# Altium PCB Slave.PcbDoc (part 4 of 10)
Units mm, origin at the board's own origin, x right, y up, seen from the top; angles counter-clockwise.
Board outline 380 x 63 mm, 4 copper layers (Top Copper, Signal Layer 1, Signal Layer 2, Bottom Copper), stack 1.586 mm thick; 259 components, 195 nets, 816 pads, 23336 vias.
Unrouted connection lines stored in the file: 47.
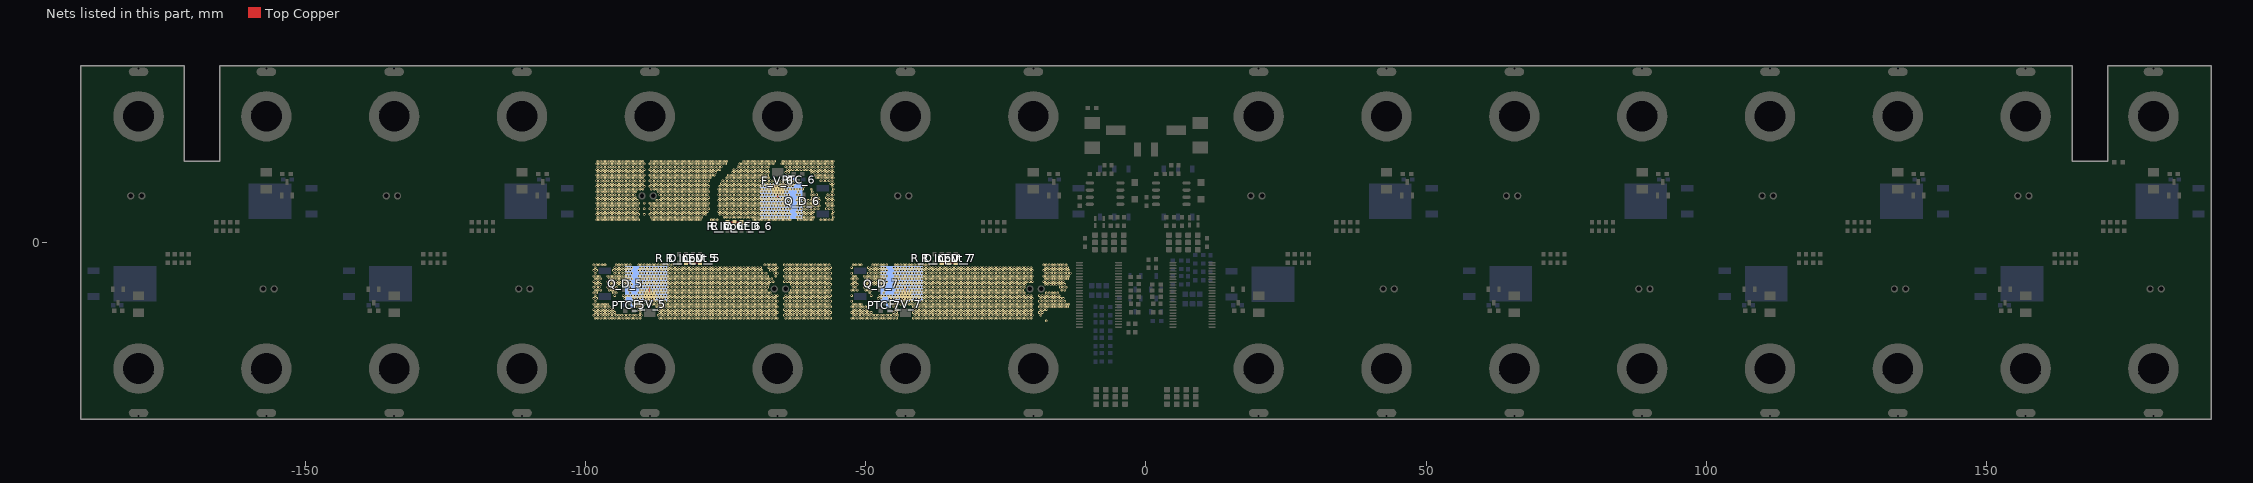
[diagram p6: the nets of this part, all layers, seen from the top]

## Via types
v1: diameter 0.45, hole 0.2, Top Copper to Bottom Copper, tented both sides, 23076 vias
v2: diameter 0.45, hole 0.2, Top Copper to Bottom Copper, 250 vias
v3: diameter 1.2, hole 0.8, Top Copper to Bottom Copper, 10 vias

## Nets (pads, with @x,y where several pads share a name; then routed paths per layer and width w, separated by ;. In a path a pad name is that pad's centre, name@x,y a point inside that pad or via, vN(x,y) a via of type N, cw(c..) or ccw(c..) an arc to the next point about the centre after c; other vN are vias at no path point) (continued)
F_5: C_V_5.2 F_V_5.2 PTC_5.2 Q_D_5.2 R_D_LED_5.2 R_Input_5.1 | length 3.9
  Top Copper w0.254: R_D_LED_5.2@-82.05,-3.6 R_Input_5.1@-80.8,-3.6 C_V_5.2@-79.55,-3.6
  Top Copper w0.305: F_V_5.2@-88.525,-9.48 v1@-88.525,-8.1
  other v1: -98.25,-13.5 -97.75,-13.5 -97.25,-13.5 -96.75,-13.5 -96.25,-13.5 -95.75,-13.5 -95.25,-13.5 -94.75,-13.5 -94.25,-13.5 -93.75,-13.5 -93.25,-13.5 -92.75,-13.5 -92.25,-13.5 -91.75,-13.5 -91.25,-13.5 -90.75,-13.5 -90.25,-13.5 -86.75,-13.5 -86.25,-13.5 -85.75,-13.5 -85.25,-13.5 -84.75,-13.5 -84.25,-13.5 -83.75,-13.5 -83.25,-13.5 -82.75,-13.5 -82.25,-13.5 -81.75,-13.5 -81.25,-13.5 -80.75,-13.5 -80.25,-13.5 -79.75,-13.5 -79.25,-13.5 -78.75,-13.5 -78.25,-13.5 -77.75,-13.5 -77.25,-13.5 -76.75,-13.5 -76.25,-13.5 -75.75,-13.5 -75.25,-13.5 -74.75,-13.5 -74.25,-13.5 -73.75,-13.5 -73.25,-13.5 -72.75,-13.5 -72.25,-13.5 -71.75,-13.5 -71.25,-13.5 -70.75,-13.5 -70.25,-13.5 -69.75,-13.5 -69.25,-13.5 -68.75,-13.5 -68.25,-13.5 -67.75,-13.5 -67.25,-13.5 -66.75,-13.5 -66.25,-13.5 -65.75,-13.5 -64.25,-13.5 -63.75,-13.5 -63.25,-13.5 -62.75,-13.5 -62.25,-13.5 -61.75,-13.5 -61.25,-13.5 -60.75,-13.5 -60.25,-13.5 -59.75,-13.5 -59.25,-13.5 -58.75,-13.5 -58.25,-13.5 -57.75,-13.5 -57.25,-13.5 -56.75,-13.5 -56.25,-13.5 -98.5,-13 -98,-13 -97.5,-13 -97,-13 -96.5,-13 -96,-13 -95.5,-13 -95,-13 -94.5,-13 -94,-13 -93.5,-13 -93,-13 -92.5,-13 -92,-13 -91.5,-13 -91,-13 -90.5,-13 -90,-13 -87,-13 -86.5,-13 -86,-13 -85.5,-13 -85,-13 -84.5,-13 -84,-13 -83.5,-13 -83,-13 -82.5,-13 -82,-13 -81.5,-13 -81,-13 -80.5,-13 -80,-13 -79.5,-13 -79,-13 -78.5,-13 -78,-13 -77.5,-13 -77,-13 -76.5,-13 -76,-13 -75.5,-13 -75,-13 -74.5,-13 -74,-13 -73.5,-13 -73,-13 -72.5,-13 -72,-13 -71.5,-13 -71,-13 -70.5,-13 -70,-13 -69.5,-13 -69,-13 -68.5,-13 -68,-13 -67.5,-13 -67,-13 -66.5,-13 -66,-13 -64.5,-13 -64,-13 -63.5,-13 -63,-13 -62.5,-13 -62,-13 -61.5,-13 -61,-13 -60.5,-13 -60,-13 -59.5,-13 -59,-13 -58.5,-13 -58,-13 -57.5,-13 -57,-13 -56.5,-13 -98.25,-12.5 -97.75,-12.5 -97.25,-12.5 -96.75,-12.5 -96.25,-12.5 -95.75,-12.5 -95.25,-12.5 -94.75,-12.5 -90.25,-12.5 -86.75,-12.5 -86.25,-12.5 -85.75,-12.5 -85.25,-12.5 -84.75,-12.5 -84.25,-12.5 -83.75,-12.5 -83.25,-12.5 -82.75,-12.5 -82.25,-12.5 -81.75,-12.5 -81.25,-12.5 -80.75,-12.5 -80.25,-12.5 -79.75,-12.5 -79.25,-12.5 -78.75,-12.5 -78.25,-12.5 -77.75,-12.5 -77.25,-12.5 -76.75,-12.5 -76.25,-12.5 -75.75,-12.5 -75.25,-12.5 -74.75,-12.5 -74.25,-12.5 -73.75,-12.5 -73.25,-12.5 -72.75,-12.5 -72.25,-12.5 -71.75,-12.5 -71.25,-12.5 -70.75,-12.5 -70.25,-12.5 -69.75,-12.5 -69.25,-12.5 -68.75,-12.5 -68.25,-12.5 -67.75,-12.5 -67.25,-12.5 -66.75,-12.5 -66.25,-12.5 -65.75,-12.5 -64.25,-12.5 -63.75,-12.5 -63.25,-12.5 -62.75,-12.5 -62.25,-12.5 -61.75,-12.5 -61.25,-12.5 -60.75,-12.5 -60.25,-12.5 -59.75,-12.5 -59.25,-12.5 -58.75,-12.5 -58.25,-12.5 -57.75,-12.5 -57.25,-12.5 -56.75,-12.5 -56.25,-12.5 -98.5,-12 -98,-12 -97.5,-12 -97,-12 -96.5,-12 -96,-12 -95.5,-12 -95,-12 -90.5,-12 -90,-12 -87,-12 -86.5,-12 -86,-12 -85.5,-12 -85,-12 -84.5,-12 -84,-12 -83.5,-12 -83,-12 -82.5,-12 -82,-12 -81.5,-12 -81,-12 -80.5,-12 -80,-12 -79.5,-12 -79,-12 -78.5,-12 -78,-12 -77.5,-12 -77,-12 -76.5,-12 -76,-12 -75.5,-12 -75,-12 -74.5,-12 -74,-12 -73.5,-12 -73,-12 -72.5,-12 -72,-12 -71.5,-12 -71,-12 -70.5,-12 -70,-12 -69.5,-12 -69,-12 -68.5,-12 -68,-12 -67.5,-12 -67,-12 -66.5,-12 -66,-12 -64.5,-12 -64,-12 -63.5,-12 -63,-12 -62.5,-12 -62,-12 -61.5,-12 -61,-12 -60.5,-12 -60,-12 -59.5,-12 -59,-12 -58.5,-12 -58,-12 -57.5,-12 -57,-12 -56.5,-12 -98.25,-11.5 -97.75,-11.5 -97.25,-11.5 -96.75,-11.5 -96.25,-11.5 -95.75,-11.5 -90.75,-11.5 -90.25,-11.5 -89.75,-11.5 -87.25,-11.5 -86.75,-11.5 -86.25,-11.5 -85.75,-11.5 -85.25,-11.5 -84.75,-11.5 -84.25,-11.5 -83.75,-11.5 -83.25,-11.5 -82.75,-11.5 -82.25,-11.5 -81.75,-11.5 -81.25,-11.5 -80.75,-11.5 -80.25,-11.5 -79.75,-11.5 -79.25,-11.5 -78.75,-11.5 -78.25,-11.5 -77.75,-11.5 -77.25,-11.5 -76.75,-11.5 -76.25,-11.5 -75.75,-11.5 -75.25,-11.5 -74.75,-11.5 -74.25,-11.5 -73.75,-11.5 -73.25,-11.5 -72.75,-11.5 -72.25,-11.5 -71.75,-11.5 -71.25,-11.5 -70.75,-11.5 -70.25,-11.5 -69.75,-11.5 -69.25,-11.5 -68.75,-11.5 -68.25,-11.5 -67.75,-11.5 -67.25,-11.5 -66.75,-11.5 -66.25,-11.5 -65.75,-11.5 -64.25,-11.5 -63.75,-11.5 -63.25,-11.5 -62.75,-11.5 -62.25,-11.5 -61.75,-11.5 -61.25,-11.5 -60.75,-11.5 -60.25,-11.5 -59.75,-11.5 -59.25,-11.5 -58.75,-11.5 -58.25,-11.5 -57.75,-11.5 -57.25,-11.5 -56.75,-11.5 -56.25,-11.5 -98.5,-11 -98,-11 -97.5,-11 -97,-11 -96.5,-11 -96,-11 -91.5,-11 -91,-11 -90.5,-11 -90,-11 -89.5,-11 -89,-11 -88.5,-11 -88,-11 -87.5,-11 -87,-11 -86.5,-11 -86,-11 -85.5,-11 -85,-11 -84.5,-11 -84,-11 -83.5,-11 -83,-11 -82.5,-11 -82,-11 -81.5,-11 -81,-11 -80.5,-11 -80,-11 -79.5,-11 -79,-11 -78.5,-11 -78,-11 -77.5,-11 -77,-11 -76.5,-11 -76,-11 -75.5,-11 -75,-11 -74.5,-11 -74,-11 -73.5,-11 -73,-11 -72.5,-11 -72,-11 -71.5,-11 -71,-11 -70.5,-11 -70,-11 -69.5,-11 -69,-11 -68.5,-11 -68,-11 -67.5,-11 -67,-11 -66.5,-11 -66,-11 -64.5,-11 -64,-11 -63.5,-11 -63,-11 -62.5,-11 -62,-11 -61.5,-11 -61,-11 -60.5,-11 -60,-11 -59.5,-11 -59,-11 -58.5,-11 -58,-11 -57.5,-11 -57,-11 -56.5,-11 -98.25,-10.5 -91.25,-10.5 -90.75,-10.5 -90.25,-10.5 -89.75,-10.5 -89.25,-10.5 -88.75,-10.5 -88.25,-10.5 -87.75,-10.5 -87.25,-10.5 -86.75,-10.5 -86.25,-10.5 -85.75,-10.5 -85.25,-10.5 -84.75,-10.5 -84.25,-10.5 -83.75,-10.5 -83.25,-10.5 -82.75,-10.5 -82.25,-10.5 -81.75,-10.5 -81.25,-10.5 -80.75,-10.5 -80.25,-10.5 -79.75,-10.5 -79.25,-10.5 -78.75,-10.5 -78.25,-10.5 -77.75,-10.5 -77.25,-10.5 -76.75,-10.5 -76.25,-10.5 -75.75,-10.5 -75.25,-10.5 -74.75,-10.5 -74.25,-10.5 -73.75,-10.5 -73.25,-10.5 -72.75,-10.5 -72.25,-10.5 -71.75,-10.5 -71.25,-10.5 -70.75,-10.5 -70.25,-10.5 -69.75,-10.5 -69.25,-10.5 -68.75,-10.5 -68.25,-10.5 -67.75,-10.5 -67.25,-10.5 -66.75,-10.5 -66.25,-10.5 -65.75,-10.5 -64.25,-10.5 -63.75,-10.5 -63.25,-10.5 -62.75,-10.5 -62.25,-10.5 -61.75,-10.5 -61.25,-10.5 -60.75,-10.5 -60.25,-10.5 -59.75,-10.5 -59.25,-10.5 -58.75,-10.5 -58.25,-10.5 -57.75,-10.5 -57.25,-10.5 -56.75,-10.5 -56.25,-10.5 -98.5,-10 -98,-10 -93,-10 -91.5,-10 -91,-10 -90.5,-10 -90,-10 -89.5,-10 -89,-10 -88.5,-10 -88,-10 -87.5,-10 -87,-10 -86.5,-10 -86,-10 -85.5,-10 -85,-10 -84.5,-10 -84,-10 -83.5,-10 -83,-10 -82.5,-10 -82,-10 -81.5,-10 -81,-10 -80.5,-10 -80,-10 -79.5,-10 -79,-10 -78.5,-10 -78,-10 -77.5,-10 -77,-10 -76.5,-10 -76,-10 -75.5,-10 -75,-10 -74.5,-10 -74,-10 -73.5,-10 -73,-10 -72.5,-10 -72,-10 -71.5,-10 -71,-10 -70.5,-10 -70,-10 -69.5,-10 -69,-10 -68.5,-10 -68,-10 -67.5,-10 -67,-10 -66.5,-10 -66,-10 -64.5,-10 -64,-10 -63.5,-10 -63,-10 -62.5,-10 -62,-10 -61.5,-10 -61,-10 -60.5,-10 -60,-10 -59.5,-10 -59,-10 -58.5,-10 -58,-10 -57.5,-10 -57,-10 -56.5,-10 -98.25,-9.5 -94.75,-9.5 -93.25,-9.5 -92.75,-9.5 -92.25,-9.5 -91.75,-9.5 -91.25,-9.5 -90.75,-9.5 -90.25,-9.5 -89.75,-9.5 -89.25,-9.5 -88.75,-9.5 -88.25,-9.5 -87.75,-9.5 -87.25,-9.5 -86.75,-9.5 -86.25,-9.5 -85.75,-9.5 -85.25,-9.5 -84.75,-9.5 -84.25,-9.5 -83.75,-9.5 -83.25,-9.5 -82.75,-9.5 -82.25,-9.5 -81.75,-9.5 -81.25,-9.5 -80.75,-9.5 -80.25,-9.5 -79.75,-9.5 -79.25,-9.5 -78.75,-9.5 -78.25,-9.5 -77.75,-9.5 -77.25,-9.5 -76.75,-9.5 -76.25,-9.5 -75.75,-9.5 -75.25,-9.5 -74.75,-9.5 -74.25,-9.5 -73.75,-9.5 -73.25,-9.5 -72.75,-9.5 -72.25,-9.5 -71.75,-9.5 -71.25,-9.5 -70.75,-9.5 -70.25,-9.5 -69.75,-9.5 -69.25,-9.5 -68.75,-9.5 -68.25,-9.5 -67.75,-9.5 -67.25,-9.5 -66.75,-9.5 -66.25,-9.5 -65.75,-9.5 -64.25,-9.5 -63.75,-9.5 -63.25,-9.5 -62.75,-9.5 -62.25,-9.5 -61.75,-9.5 -61.25,-9.5 -60.75,-9.5 -60.25,-9.5 -59.75,-9.5 -59.25,-9.5 -58.75,-9.5 -58.25,-9.5 -57.75,-9.5 -57.25,-9.5 -56.75,-9.5 -56.25,-9.5 -98.5,-9 -98,-9 -95,-9 -94.5,-9 -92,-9 -90.5,-9 -90,-9 -89.5,-9 -89,-9 -88.5,-9 -88,-9 -87.5,-9 -87,-9 -86.5,-9 -86,-9 -85.5,-9 -85,-9 -84.5,-9 -84,-9 -83.5,-9 -83,-9 -82.5,-9 -82,-9 -81.5,-9 -81,-9 -80.5,-9 -80,-9 -79.5,-9 -79,-9 -78.5,-9 -78,-9 -77.5,-9 -77,-9 -76.5,-9 -76,-9 -75.5,-9 -75,-9 -74.5,-9 -74,-9 -73.5,-9 -73,-9 -72.5,-9 -72,-9 -71.5,-9 -71,-9 -70.5,-9 -70,-9 -69.5,-9 -69,-9 -68.5,-9 -68,-9 -67.5,-9 -67,-9 -63.5,-9 -63,-9 -62.5,-9 -62,-9 -61.5,-9 -61,-9 -60.5,-9 -60,-9 -59.5,-9 -59,-9 -58.5,-9 -58,-9 -57.5,-9 -57,-9 -56.5,-9 -98.25,-8.5 -97.75,-8.5 -97.25,-8.5 -95.75,-8.5 -95.25,-8.5 -94.75,-8.5 -92.25,-8.5 -90.25,-8.5 -89.75,-8.5 -89.25,-8.5 -88.75,-8.5 -88.25,-8.5 -87.75,-8.5 -87.25,-8.5 -86.75,-8.5 -86.25,-8.5 -85.75,-8.5 -85.25,-8.5 -84.75,-8.5 -84.25,-8.5 -83.75,-8.5 -83.25,-8.5 -82.75,-8.5 -82.25,-8.5 -81.75,-8.5 -81.25,-8.5 -80.75,-8.5 -80.25,-8.5 -79.75,-8.5 -79.25,-8.5 -78.75,-8.5 -78.25,-8.5 -77.75,-8.5 -77.25,-8.5 -76.75,-8.5 -76.25,-8.5 -75.75,-8.5 -75.25,-8.5 -74.75,-8.5 -74.25,-8.5 -73.75,-8.5 -73.25,-8.5 -72.75,-8.5 -72.25,-8.5 -71.75,-8.5 -71.25,-8.5 -70.75,-8.5 -70.25,-8.5 -69.75,-8.5 -69.25,-8.5 -68.75,-8.5 -68.25,-8.5 -67.75,-8.5 -63.25,-8.5 -62.75,-8.5 -62.25,-8.5 -61.75,-8.5 -61.25,-8.5 -60.75,-8.5 -60.25,-8.5 -59.75,-8.5 -59.25,-8.5 -58.75,-8.5 -58.25,-8.5 -57.75,-8.5 -57.25,-8.5 -56.75,-8.5 -56.25,-8.5 -98.5,-8 -98,-8 -97.5,-8 -96,-8 -95.5,-8 -95,-8 -94.5,-8 -92,-8 -90.5,-8 -90,-8 -89.5,-8 -89,-8 -88.5,-8 -88,-8 -87.5,-8 -87,-8 -86.5,-8 -86,-8 -85.5,-8 -85,-8 -84.5,-8 -84,-8 -83.5,-8 -83,-8 -82.5,-8 -82,-8 -81.5,-8 -81,-8 -80.5,-8 -80,-8 -79.5,-8 -79,-8 -78.5,-8 -78,-8 -77.5,-8 -77,-8 -76.5,-8 -76,-8 -75.5,-8 -75,-8 -74.5,-8 -74,-8 -73.5,-8 -73,-8 -72.5,-8 -72,-8 -71.5,-8 -71,-8 -70.5,-8 -70,-8 -69.5,-8 -69,-8 -68.5,-8 -68,-8 -67.5,-8 -63,-8 -62.5,-8 -62,-8 -61.5,-8 -61,-8 -60.5,-8 -60,-8 -59.5,-8 -59,-8 -58.5,-8 -58,-8 -57.5,-8 -57,-8 -56.5,-8 -98.25,-7.5 -97.75,-7.5 -97.25,-7.5 -95.75,-7.5 -95.25,-7.5 -94.75,-7.5 -94.25,-7.5 -93.75,-7.5 -93.25,-7.5 -92.75,-7.5 -92.25,-7.5 -91.75,-7.5 -90.25,-7.5 -89.75,-7.5 -89.25,-7.5 -88.75,-7.5 -88.25,-7.5 -87.75,-7.5 -87.25,-7.5 -86.75,-7.5 -86.25,-7.5 -85.75,-7.5 -85.25,-7.5 -84.75,-7.5 -84.25,-7.5 -83.75,-7.5 -83.25,-7.5 -82.75,-7.5 -82.25,-7.5 -81.75,-7.5 -81.25,-7.5 -80.75,-7.5 -80.25,-7.5 -79.75,-7.5 -79.25,-7.5 -78.75,-7.5 -78.25,-7.5 -77.75,-7.5 -77.25,-7.5 -76.75,-7.5 -76.25,-7.5 -75.75,-7.5 -75.25,-7.5 -74.75,-7.5 -74.25,-7.5 -73.75,-7.5 -73.25,-7.5 -72.75,-7.5 -72.25,-7.5 -71.75,-7.5 -71.25,-7.5 -70.75,-7.5 -70.25,-7.5 -69.75,-7.5 -69.25,-7.5 -68.75,-7.5 -68.25,-7.5 -67.75,-7.5 -67.25,-7.5 -63.25,-7.5 -62.75,-7.5 -62.25,-7.5 -61.75,-7.5 -61.25,-7.5 -60.75,-7.5 -60.25,-7.5 -59.75,-7.5 -59.25,-7.5 -58.75,-7.5 -58.25,-7.5 -57.75,-7.5 -57.25,-7.5 -56.75,-7.5 -56.25,-7.5 -98.5,-7 -98,-7 -97.5,-7 -96,-7 -95.5,-7 -95,-7 -94.5,-7 -94,-7 -93.5,-7 -93,-7 -92.5,-7 -92,-7 -90.5,-7 -90,-7 -89.5,-7 -89,-7 -88.5,-7 -88,-7 -87.5,-7 -87,-7 -86.5,-7 -86,-7 -85.5,-7 -85,-7 -84.5,-7 -84,-7 -83.5,-7 -83,-7 -82.5,-7 -82,-7 -81.5,-7 -81,-7 -80.5,-7 -80,-7 -79.5,-7 -79,-7 -78.5,-7 -78,-7 -77.5,-7 -77,-7 -76.5,-7 -76,-7 -75.5,-7 -75,-7 -74.5,-7 -74,-7 -73.5,-7 -73,-7 -72.5,-7 -72,-7 -71.5,-7 -71,-7 -70.5,-7 -70,-7 -69.5,-7 -69,-7 -68.5,-7 -68,-7 -67.5,-7 -67,-7 -66.5,-7 -64.5,-7 -64,-7 -63.5,-7 -63,-7 -62.5,-7 -62,-7 -61.5,-7 -61,-7 -60.5,-7 -60,-7 -59.5,-7 -59,-7 -58.5,-7 -58,-7 -57.5,-7 -57,-7 -56.5,-7 -98.25,-6.5 -97.75,-6.5 -97.25,-6.5 -95.75,-6.5 -95.25,-6.5 -94.75,-6.5 -94.25,-6.5 -93.75,-6.5 -93.25,-6.5 -92.75,-6.5 -92.25,-6.5 -91.75,-6.5 -90.25,-6.5 -89.75,-6.5 -89.25,-6.5 -88.75,-6.5 -88.25,-6.5 -87.75,-6.5 -87.25,-6.5 -86.75,-6.5 -86.25,-6.5 -85.75,-6.5 -85.25,-6.5 -84.75,-6.5 -84.25,-6.5 -83.75,-6.5 -83.25,-6.5 -82.75,-6.5 -82.25,-6.5 -81.75,-6.5 -81.25,-6.5 -80.75,-6.5 -80.25,-6.5 -79.75,-6.5 -79.25,-6.5 -78.75,-6.5 -78.25,-6.5 -77.75,-6.5 -77.25,-6.5 -76.75,-6.5 -76.25,-6.5 -75.75,-6.5 -75.25,-6.5 -74.75,-6.5 -74.25,-6.5 -73.75,-6.5 -73.25,-6.5 -72.75,-6.5 -72.25,-6.5 -71.75,-6.5 -71.25,-6.5 -70.75,-6.5 -70.25,-6.5 -69.75,-6.5 -69.25,-6.5 -68.75,-6.5 -68.25,-6.5 -67.75,-6.5 -67.25,-6.5 -66.75,-6.5 -64.25,-6.5 -63.75,-6.5 -63.25,-6.5 -62.75,-6.5 -62.25,-6.5 -61.75,-6.5 -61.25,-6.5 -60.75,-6.5 -60.25,-6.5 -59.75,-6.5 -59.25,-6.5 -58.75,-6.5 -58.25,-6.5 -57.75,-6.5 -57.25,-6.5 -56.75,-6.5 -56.25,-6.5 -98.5,-6 -98,-6 -97.5,-6 -96,-6 -95.5,-6 -95,-6 -94.5,-6 -94,-6 -93.5,-6 -93,-6 -92.5,-6 -92,-6 -90.5,-6 -90,-6 -89.5,-6 -89,-6 -88.5,-6 -88,-6 -87.5,-6 -87,-6 -86.5,-6 -86,-6 -85.5,-6 -85,-6 -84.5,-6 -84,-6 -83.5,-6 -83,-6 -82.5,-6 -82,-6 -81.5,-6 -81,-6 -80.5,-6 -80,-6 -79.5,-6 -79,-6 -78.5,-6 -78,-6 -77.5,-6 -77,-6 -76.5,-6 -76,-6 -75.5,-6 -75,-6 -74.5,-6 -74,-6 -73.5,-6 -73,-6 -72.5,-6 -72,-6 -71.5,-6 -71,-6 -70.5,-6 -70,-6 -69.5,-6 -69,-6 -68.5,-6 -68,-6 -67.5,-6 -66,-6 -64.5,-6 -64,-6 -63.5,-6 -63,-6 -62.5,-6 -62,-6 -61.5,-6 -61,-6 -60.5,-6 -60,-6 -59.5,-6 -59,-6 -58.5,-6 -58,-6 -57.5,-6 -57,-6 -56.5,-6 -98.25,-5.5 -94.75,-5.5 -94.25,-5.5 -93.75,-5.5 -93.25,-5.5 -92.75,-5.5 -92.25,-5.5 -91.75,-5.5 -90.25,-5.5 -89.75,-5.5 -89.25,-5.5 -88.75,-5.5 -88.25,-5.5 -87.75,-5.5 -87.25,-5.5 -86.75,-5.5 -86.25,-5.5 -85.75,-5.5 -85.25,-5.5 -84.75,-5.5 -84.25,-5.5 -83.75,-5.5 -83.25,-5.5 -82.75,-5.5 -82.25,-5.5 -81.75,-5.5 -81.25,-5.5 -80.75,-5.5 -80.25,-5.5 -79.75,-5.5 -79.25,-5.5 -78.75,-5.5 -78.25,-5.5 -77.75,-5.5 -77.25,-5.5 -76.75,-5.5 -76.25,-5.5 -75.75,-5.5 -75.25,-5.5 -74.75,-5.5 -74.25,-5.5 -73.75,-5.5 -73.25,-5.5 -72.75,-5.5 -72.25,-5.5 -71.75,-5.5 -71.25,-5.5 -70.75,-5.5 -70.25,-5.5 -69.75,-5.5 -69.25,-5.5 -68.75,-5.5 -68.25,-5.5 -67.75,-5.5 -66.25,-5.5 -65.75,-5.5 -64.25,-5.5 -63.75,-5.5 -63.25,-5.5 -62.75,-5.5 -62.25,-5.5 -61.75,-5.5 -61.25,-5.5 -60.75,-5.5 -60.25,-5.5 -59.75,-5.5 -59.25,-5.5 -58.75,-5.5 -58.25,-5.5 -57.75,-5.5 -57.25,-5.5 -56.75,-5.5 -56.25,-5.5 -98.5,-5 -98,-5 -95,-5 -94.5,-5 -94,-5 -93.5,-5 -93,-5 -92.5,-5 -92,-5 -90.5,-5 -90,-5 -89.5,-5 -89,-5 -88.5,-5 -88,-5 -87.5,-5 -87,-5 -86.5,-5 -86,-5 -85.5,-5 -85,-5 -84.5,-5 -84,-5 -83.5,-5 -83,-5 -82.5,-5 -82,-5 -81.5,-5 -81,-5 -80.5,-5 -80,-5 -79.5,-5 -79,-5 -78.5,-5 -78,-5 -77.5,-5 -77,-5 -76.5,-5 -76,-5 -75.5,-5 -75,-5 -74.5,-5 -74,-5 -73.5,-5 -73,-5 -72.5,-5 -72,-5 -71.5,-5 -71,-5 -70.5,-5 -70,-5 -69.5,-5 -69,-5 -68.5,-5 -67,-5 -66.5,-5 -66,-5 -64.5,-5 -64,-5 -63.5,-5 -63,-5 -62.5,-5 -62,-5 -61.5,-5 -61,-5 -60.5,-5 -60,-5 -59.5,-5 -59,-5 -58.5,-5 -58,-5 -57.5,-5 -57,-5 -56.5,-5 -98.25,-4.5 -94.75,-4.5 -94.25,-4.5 -93.75,-4.5 -93.25,-4.5 -92.75,-4.5 -92.25,-4.5 -91.75,-4.5 -90.25,-4.5 -89.75,-4.5 -89.25,-4.5 -88.75,-4.5 -88.25,-4.5 -87.75,-4.5 -87.25,-4.5 -86.75,-4.5 -86.25,-4.5 -85.75,-4.5 -85.25,-4.5 -84.75,-4.5 -84.25,-4.5 -83.75,-4.5 -83.25,-4.5 -82.75,-4.5 -82.25,-4.5 -81.75,-4.5 -81.25,-4.5 -80.75,-4.5 -80.25,-4.5 -79.75,-4.5 -79.25,-4.5 -78.75,-4.5 -78.25,-4.5 -77.75,-4.5 -77.25,-4.5 -76.75,-4.5 -76.25,-4.5 -75.75,-4.5 -75.25,-4.5 -74.75,-4.5 -74.25,-4.5 -73.75,-4.5 -73.25,-4.5 -72.75,-4.5 -72.25,-4.5 -71.75,-4.5 -71.25,-4.5 -70.75,-4.5 -70.25,-4.5 -69.75,-4.5 -69.25,-4.5 -68.75,-4.5 -67.25,-4.5 -66.75,-4.5 -66.25,-4.5 -65.75,-4.5 -64.25,-4.5 -63.75,-4.5 -63.25,-4.5 -62.75,-4.5 -62.25,-4.5 -61.75,-4.5 -61.25,-4.5 -60.75,-4.5 -60.25,-4.5 -59.75,-4.5 -59.25,-4.5 -58.75,-4.5 -58.25,-4.5 -57.75,-4.5 -57.25,-4.5 -56.75,-4.5 -56.25,-4.5 -98.5,-4 -98,-4 -97.5,-4 -97,-4 -96.5,-4 -94.5,-4 -94,-4 -93.5,-4 -93,-4 -92.5,-4 -92,-4 -90.5,-4 -90,-4 -89.5,-4 -89,-4 -88.5,-4 -88,-4 -87.5,-4 -87,-4 -86.5,-4 -86,-4 -85.5,-4 -85,-4 -84.5,-4 -68,-4 -67.5,-4 -67,-4 -66.5,-4 -66,-4 -64.5,-4 -64,-4 -63.5,-4 -63,-4 -62.5,-4 -62,-4 -61.5,-4 -61,-4 -60.5,-4 -60,-4 -59.5,-4 -59,-4 -58.5,-4 -58,-4 -57.5,-4 -57,-4 -56.5,-4
F_6: C_V_6.2 F_V_6.2 PTC_6.2 Q_D_6.2 R_D_LED_6.2 R_Input_6.1 | length 3.9
  Top Copper w0.254: C_V_6.2@-74.65,3.6 R_Input_6.1@-73.4,3.6 R_D_LED_6.2@-72.15,3.6
  Top Copper w0.305: v1@-65.675,8.1 F_V_6.2@-65.675,9.48
  other v1: -98,4 -97.5,4 -97,4 -96.5,4 -96,4 -95.5,4 -95,4 -94.5,4 -94,4 -93.5,4 -93,4 -92.5,4 -92,4 -91.5,4 -91,4 -90.5,4 -88,4 -87.5,4 -87,4 -86.5,4 -86,4 -85.5,4 -85,4 -84.5,4 -84,4 -83.5,4 -83,4 -82.5,4 -82,4 -81.5,4 -81,4 -80.5,4 -80,4 -79.5,4 -77.5,4 -77,4 -76.5,4 -70,4 -69.5,4 -69,4 -68.5,4 -68,4 -67.5,4 -67,4 -66.5,4 -66,4 -65.5,4 -65,4 -64.5,4 -64,4 -63.5,4 -62,4 -61.5,4 -61,4 -60.5,4 -60,4 -59.5,4 -58,4 -57.5,4 -57,4 -56.5,4 -56,4 -97.75,4.5 -97.25,4.5 -96.75,4.5 -96.25,4.5 -95.75,4.5 -95.25,4.5 -94.75,4.5 -94.25,4.5 -93.75,4.5 -93.25,4.5 -92.75,4.5 -92.25,4.5 -91.75,4.5 -91.25,4.5 -90.75,4.5 -88.25,4.5 -87.75,4.5 -87.25,4.5 -86.75,4.5 -86.25,4.5 -85.75,4.5 -85.25,4.5 -84.75,4.5 -84.25,4.5 -83.75,4.5 -83.25,4.5 -82.75,4.5 -82.25,4.5 -81.75,4.5 -81.25,4.5 -80.75,4.5 -80.25,4.5 -79.75,4.5 -79.25,4.5 -75.25,4.5 -74.75,4.5 -74.25,4.5 -73.75,4.5 -73.25,4.5 -72.75,4.5 -72.25,4.5 -71.75,4.5 -71.25,4.5 -70.75,4.5 -70.25,4.5 -69.75,4.5 -69.25,4.5 -68.75,4.5 -68.25,4.5 -67.75,4.5 -67.25,4.5 -66.75,4.5 -66.25,4.5 -65.75,4.5 -65.25,4.5 -64.75,4.5 -64.25,4.5 -63.75,4.5 -62.25,4.5 -61.75,4.5 -61.25,4.5 -60.75,4.5 -60.25,4.5 -59.75,4.5 -59.25,4.5 -55.75,4.5 -98,5 -97.5,5 -97,5 -96.5,5 -96,5 -95.5,5 -95,5 -94.5,5 -94,5 -93.5,5 -93,5 -92.5,5 -92,5 -91.5,5 -91,5 -90.5,5 -89.5,5 -88.5,5 -88,5 -87.5,5 -87,5 -86.5,5 -86,5 -85.5,5 -85,5 -84.5,5 -84,5 -83.5,5 -83,5 -82.5,5 -82,5 -81.5,5 -81,5 -80.5,5 -80,5 -79.5,5 -79,5 -78.5,5 -76,5 -75.5,5 -75,5 -74.5,5 -74,5 -73.5,5 -73,5 -72.5,5 -72,5 -71.5,5 -71,5 -70.5,5 -70,5 -69.5,5 -69,5 -68.5,5 -68,5 -67.5,5 -67,5 -66.5,5 -66,5 -65.5,5 -65,5 -64.5,5 -64,5 -63.5,5 -62,5 -61.5,5 -61,5 -60.5,5 -60,5 -59.5,5 -56,5 -97.75,5.5 -97.25,5.5 -96.75,5.5 -96.25,5.5 -95.75,5.5 -95.25,5.5 -94.75,5.5 -94.25,5.5 -93.75,5.5 -93.25,5.5 -92.75,5.5 -92.25,5.5 -91.75,5.5 -91.25,5.5 -90.75,5.5 -88.25,5.5 -87.75,5.5 -87.25,5.5 -86.75,5.5 -86.25,5.5 -85.75,5.5 -85.25,5.5 -84.75,5.5 -84.25,5.5 -83.75,5.5 -83.25,5.5 -82.75,5.5 -82.25,5.5 -81.75,5.5 -81.25,5.5 -80.75,5.5 -80.25,5.5 -79.75,5.5 -79.25,5.5 -78.75,5.5 -78.25,5.5 -76.25,5.5 -75.75,5.5 -75.25,5.5 -74.75,5.5 -74.25,5.5 -73.75,5.5 -73.25,5.5 -72.75,5.5 -72.25,5.5 -71.75,5.5 -71.25,5.5 -70.75,5.5 -70.25,5.5 -69.75,5.5 -69.25,5.5 -68.75,5.5 -68.25,5.5 -67.75,5.5 -67.25,5.5 -66.75,5.5 -66.25,5.5 -65.75,5.5 -65.25,5.5 -64.75,5.5 -64.25,5.5 -63.75,5.5 -62.25,5.5 -61.75,5.5 -61.25,5.5 -60.75,5.5 -60.25,5.5 -59.75,5.5 -59.25,5.5 -55.75,5.5 -98,6 -97.5,6 -97,6 -96.5,6 -96,6 -95.5,6 -95,6 -94.5,6 -94,6 -93.5,6 -93,6 -92.5,6 -92,6 -91.5,6 -91,6 -90.5,6 -89.5,6 -88.5,6 -88,6 -87.5,6 -87,6 -86.5,6 -86,6 -85.5,6 -85,6 -84.5,6 -84,6 -83.5,6 -83,6 -82.5,6 -82,6 -81.5,6 -81,6 -80.5,6 -80,6 -79.5,6 -79,6 -78.5,6 -78,6 -76,6 -75.5,6 -75,6 -74.5,6 -74,6 -73.5,6 -73,6 -72.5,6 -72,6 -71.5,6 -71,6 -70.5,6 -70,6 -69.5,6 -69,6 -68.5,6 -68,6 -67.5,6 -67,6 -66.5,6 -66,6 -65.5,6 -65,6 -64.5,6 -64,6 -63.5,6 -62,6 -61.5,6 -61,6 -60.5,6 -60,6 -59.5,6 -59,6 -58.5,6 -57,6 -56.5,6 -56,6 -97.75,6.5 -97.25,6.5 -96.75,6.5 -96.25,6.5 -95.75,6.5 -95.25,6.5 -94.75,6.5 -94.25,6.5 -93.75,6.5 -93.25,6.5 -92.75,6.5 -92.25,6.5 -91.75,6.5 -91.25,6.5 -90.75,6.5 -88.25,6.5 -87.75,6.5 -87.25,6.5 -86.75,6.5 -86.25,6.5 -85.75,6.5 -85.25,6.5 -84.75,6.5 -84.25,6.5 -83.75,6.5 -83.25,6.5 -82.75,6.5 -82.25,6.5 -81.75,6.5 -81.25,6.5 -80.75,6.5 -80.25,6.5 -79.75,6.5 -79.25,6.5 -78.75,6.5 -78.25,6.5 -76.25,6.5 -75.75,6.5 -75.25,6.5 -74.75,6.5 -74.25,6.5 -73.75,6.5 -73.25,6.5 -72.75,6.5 -72.25,6.5 -71.75,6.5 -71.25,6.5 -70.75,6.5 -70.25,6.5 -69.75,6.5 -69.25,6.5 -68.75,6.5 -68.25,6.5 -67.75,6.5 -67.25,6.5 -66.75,6.5 -66.25,6.5 -65.75,6.5 -65.25,6.5 -64.75,6.5 -64.25,6.5 -63.75,6.5 -62.25,6.5 -61.75,6.5 -61.25,6.5 -60.75,6.5 -60.25,6.5 -59.75,6.5 -59.25,6.5 -58.75,6.5 -58.25,6.5 -56.75,6.5 -56.25,6.5 -55.75,6.5 -98,7 -97.5,7 -97,7 -96.5,7 -96,7 -95.5,7 -95,7 -94.5,7 -94,7 -93.5,7 -93,7 -92.5,7 -92,7 -91.5,7 -91,7 -90.5,7 -89.5,7 -88.5,7 -88,7 -87.5,7 -87,7 -86.5,7 -86,7 -85.5,7 -85,7 -84.5,7 -84,7 -83.5,7 -83,7 -82.5,7 -82,7 -81.5,7 -81,7 -80.5,7 -80,7 -79.5,7 -79,7 -78.5,7 -78,7 -76,7 -75.5,7 -75,7 -74.5,7 -74,7 -73.5,7 -73,7 -72.5,7 -72,7 -71.5,7 -71,7 -70.5,7 -70,7 -69.5,7 -69,7 -68.5,7 -68,7 -67.5,7 -67,7 -66.5,7 -66,7 -65.5,7 -65,7 -64.5,7 -64,7 -63.5,7 -62,7 -61.5,7 -61,7 -60.5,7 -60,7 -59.5,7 -59,7 -58.5,7 -57,7 -56.5,7 -56,7 -97.75,7.5 -97.25,7.5 -96.75,7.5 -96.25,7.5 -95.75,7.5 -95.25,7.5 -94.75,7.5 -94.25,7.5 -93.75,7.5 -93.25,7.5 -92.75,7.5 -92.25,7.5 -91.75,7.5 -91.25,7.5 -90.75,7.5 -87.25,7.5 -86.75,7.5 -86.25,7.5 -85.75,7.5 -85.25,7.5 -84.75,7.5 -84.25,7.5 -83.75,7.5 -83.25,7.5 -82.75,7.5 -82.25,7.5 -81.75,7.5 -81.25,7.5 -80.75,7.5 -80.25,7.5 -79.75,7.5 -79.25,7.5 -78.75,7.5 -78.25,7.5 -76.25,7.5 -75.75,7.5 -75.25,7.5 -74.75,7.5 -74.25,7.5 -73.75,7.5 -73.25,7.5 -72.75,7.5 -72.25,7.5 -71.75,7.5 -71.25,7.5 -70.75,7.5 -70.25,7.5 -69.75,7.5 -69.25,7.5 -68.75,7.5 -68.25,7.5 -67.75,7.5 -67.25,7.5 -66.75,7.5 -66.25,7.5 -65.75,7.5 -65.25,7.5 -64.75,7.5 -64.25,7.5 -63.75,7.5 -62.25,7.5 -61.75,7.5 -61.25,7.5 -60.75,7.5 -60.25,7.5 -59.75,7.5 -59.25,7.5 -58.75,7.5 -58.25,7.5 -56.75,7.5 -56.25,7.5 -55.75,7.5 -98,8 -97.5,8 -97,8 -96.5,8 -96,8 -95.5,8 -95,8 -94.5,8 -94,8 -93.5,8 -93,8 -92.5,8 -92,8 -91.5,8 -91,8 -86.5,8 -86,8 -85.5,8 -85,8 -84.5,8 -84,8 -83.5,8 -83,8 -82.5,8 -82,8 -81.5,8 -81,8 -80.5,8 -80,8 -79.5,8 -79,8 -78.5,8 -78,8 -76,8 -75.5,8 -75,8 -74.5,8 -74,8 -73.5,8 -73,8 -72.5,8 -72,8 -71.5,8 -71,8 -70.5,8 -70,8 -69.5,8 -69,8 -68.5,8 -68,8 -67.5,8 -67,8 -66.5,8 -66,8 -65.5,8 -65,8 -64.5,8 -64,8 -62,8 -59.5,8 -59,8 -58.5,8 -57,8 -56.5,8 -56,8 -97.75,8.5 -97.25,8.5 -96.75,8.5 -96.25,8.5 -95.75,8.5 -95.25,8.5 -94.75,8.5 -94.25,8.5 -93.75,8.5 -93.25,8.5 -92.75,8.5 -92.25,8.5 -91.75,8.5 -91.25,8.5 -86.75,8.5 -86.25,8.5 -85.75,8.5 -85.25,8.5 -84.75,8.5 -84.25,8.5 -83.75,8.5 -83.25,8.5 -82.75,8.5 -82.25,8.5 -81.75,8.5 -81.25,8.5 -80.75,8.5 -80.25,8.5 -79.75,8.5 -79.25,8.5 -78.75,8.5 -78.25,8.5 -76.25,8.5 -75.75,8.5 -75.25,8.5 -74.75,8.5 -74.25,8.5 -73.75,8.5 -73.25,8.5 -72.75,8.5 -72.25,8.5 -71.75,8.5 -71.25,8.5 -70.75,8.5 -70.25,8.5 -69.75,8.5 -69.25,8.5 -68.75,8.5 -68.25,8.5 -67.75,8.5 -67.25,8.5 -66.75,8.5 -66.25,8.5 -65.75,8.5 -65.25,8.5 -64.75,8.5 -64.25,8.5 -63.75,8.5 -62.25,8.5 -61.75,8.5 -59.75,8.5 -59.25,8.5 -58.75,8.5 -56.75,8.5 -56.25,8.5 -55.75,8.5 -98,9 -97.5,9 -97,9 -96.5,9 -96,9 -95.5,9 -95,9 -94.5,9 -94,9 -93.5,9 -93,9 -92.5,9 -92,9 -91.5,9 -91,9 -87,9 -86.5,9 -86,9 -85.5,9 -85,9 -84.5,9 -84,9 -83.5,9 -83,9 -82.5,9 -82,9 -81.5,9 -81,9 -80.5,9 -80,9 -79.5,9 -79,9 -78.5,9 -78,9 -76,9 -75.5,9 -75,9 -74.5,9 -74,9 -73.5,9 -73,9 -72.5,9 -72,9 -71.5,9 -71,9 -70.5,9 -70,9 -69.5,9 -69,9 -68.5,9 -68,9 -67.5,9 -67,9 -66.5,9 -66,9 -65.5,9 -65,9 -64.5,9 -64,9 -62,9 -59.5,9 -56,9 -97.75,9.5 -97.25,9.5 -96.75,9.5 -96.25,9.5 -95.75,9.5 -95.25,9.5 -94.75,9.5 -94.25,9.5 -93.75,9.5 -93.25,9.5 -92.75,9.5 -92.25,9.5 -91.75,9.5 -91.25,9.5 -90.75,9.5 -90.25,9.5 -89.75,9.5 -88.25,9.5 -87.75,9.5 -87.25,9.5 -86.75,9.5 -86.25,9.5 -85.75,9.5 -85.25,9.5 -84.75,9.5 -84.25,9.5 -83.75,9.5 -83.25,9.5 -82.75,9.5 -82.25,9.5 -81.75,9.5 -81.25,9.5 -80.75,9.5 -80.25,9.5 -79.75,9.5 -79.25,9.5 -78.75,9.5 -78.25,9.5 -76.25,9.5 -75.75,9.5 -75.25,9.5 -74.75,9.5 -74.25,9.5 -73.75,9.5 -73.25,9.5 -72.75,9.5 -72.25,9.5 -71.75,9.5 -71.25,9.5 -70.75,9.5 -70.25,9.5 -69.75,9.5 -69.25,9.5 -68.75,9.5 -68.25,9.5 -67.75,9.5 -67.25,9.5 -66.75,9.5 -66.25,9.5 -65.75,9.5 -65.25,9.5 -64.75,9.5 -64.25,9.5 -63.75,9.5 -63.25,9.5 -62.75,9.5 -62.25,9.5 -61.75,9.5 -61.25,9.5 -59.75,9.5 -55.75,9.5 -98,10 -97.5,10 -97,10 -96.5,10 -96,10 -95.5,10 -95,10 -94.5,10 -94,10 -93.5,10 -93,10 -92.5,10 -92,10 -91.5,10 -91,10 -90.5,10 -90,10 -89.5,10 -88.5,10 -88,10 -87.5,10 -87,10 -86.5,10 -86,10 -85.5,10 -85,10 -84.5,10 -84,10 -83.5,10 -83,10 -82.5,10 -82,10 -81.5,10 -81,10 -80.5,10 -80,10 -79.5,10 -79,10 -78.5,10 -78,10 -76,10 -75.5,10 -75,10 -74.5,10 -74,10 -73.5,10 -73,10 -72.5,10 -72,10 -71.5,10 -71,10 -70.5,10 -70,10 -69.5,10 -69,10 -68.5,10 -68,10 -67.5,10 -67,10 -66.5,10 -66,10 -65.5,10 -65,10 -64.5,10 -64,10 -63.5,10 -63,10 -61,10 -56,10 -97.75,10.5 -97.25,10.5 -96.75,10.5 -96.25,10.5 -95.75,10.5 -95.25,10.5 -94.75,10.5 -94.25,10.5 -93.75,10.5 -93.25,10.5 -92.75,10.5 -92.25,10.5 -91.75,10.5 -91.25,10.5 -90.75,10.5 -90.25,10.5 -89.75,10.5 -88.25,10.5 -87.75,10.5 -87.25,10.5 -86.75,10.5 -86.25,10.5 -85.75,10.5 -85.25,10.5 -84.75,10.5 -84.25,10.5 -83.75,10.5 -83.25,10.5 -82.75,10.5 -82.25,10.5 -81.75,10.5 -81.25,10.5 -80.75,10.5 -80.25,10.5 -79.75,10.5 -79.25,10.5 -78.75,10.5 -78.25,10.5 -75.75,10.5 -75.25,10.5 -74.75,10.5 -74.25,10.5 -73.75,10.5 -73.25,10.5 -72.75,10.5 -72.25,10.5 -71.75,10.5 -71.25,10.5 -70.75,10.5 -70.25,10.5 -69.75,10.5 -69.25,10.5 -68.75,10.5 -68.25,10.5 -67.75,10.5 -67.25,10.5 -66.75,10.5 -66.25,10.5 -65.75,10.5 -65.25,10.5 -64.75,10.5 -64.25,10.5 -63.75,10.5 -63.25,10.5 -62.75,10.5 -56.25,10.5 -55.75,10.5 -98,11 -97.5,11 -97,11 -96.5,11 -96,11 -95.5,11 -95,11 -94.5,11 -94,11 -93.5,11 -93,11 -92.5,11 -92,11 -91.5,11 -91,11 -90.5,11 -90,11 -89.5,11 -88.5,11 -88,11 -87.5,11 -87,11 -86.5,11 -86,11 -85.5,11 -85,11 -84.5,11 -84,11 -83.5,11 -83,11 -82.5,11 -82,11 -81.5,11 -81,11 -80.5,11 -80,11 -79.5,11 -79,11 -78.5,11 -78,11 -75.5,11 -75,11 -74.5,11 -74,11 -73.5,11 -73,11 -72.5,11 -72,11 -71.5,11 -71,11 -70.5,11 -70,11 -69.5,11 -69,11 -68.5,11 -68,11 -67.5,11 -67,11 -66.5,11 -66,11 -65.5,11 -65,11 -64.5,11 -64,11 -63.5,11 -63,11 -58,11 -57.5,11 -57,11 -56.5,11 -56,11 -97.75,11.5 -97.25,11.5 -96.75,11.5 -96.25,11.5 -95.75,11.5 -95.25,11.5 -94.75,11.5 -94.25,11.5 -93.75,11.5 -93.25,11.5 -92.75,11.5 -92.25,11.5 -91.75,11.5 -91.25,11.5 -90.75,11.5 -90.25,11.5 -89.75,11.5 -88.25,11.5 -87.75,11.5 -87.25,11.5 -86.75,11.5 -86.25,11.5 -85.75,11.5 -85.25,11.5 -84.75,11.5 -84.25,11.5 -83.75,11.5 -83.25,11.5 -82.75,11.5 -82.25,11.5 -81.75,11.5 -81.25,11.5 -80.75,11.5 -80.25,11.5 -79.75,11.5 -79.25,11.5 -78.75,11.5 -78.25,11.5 -77.75,11.5 -74.75,11.5 -74.25,11.5 -73.75,11.5 -73.25,11.5 -72.75,11.5 -72.25,11.5 -71.75,11.5 -71.25,11.5 -70.75,11.5 -70.25,11.5 -69.75,11.5 -69.25,11.5 -68.75,11.5 -68.25,11.5 -67.75,11.5 -67.25,11.5 -64.25,11.5 -63.75,11.5 -58.75,11.5 -58.25,11.5 -57.75,11.5 -57.25,11.5 -56.75,11.5 -56.25,11.5 -55.75,11.5 -98,12 -97.5,12 -97,12 -96.5,12 -96,12 -95.5,12 -95,12 -94.5,12 -94,12 -93.5,12 -93,12 -92.5,12 -92,12 -91.5,12 -91,12 -90.5,12 -90,12 -89.5,12 -88.5,12 -88,12 -87.5,12 -87,12 -86.5,12 -86,12 -85.5,12 -85,12 -84.5,12 -84,12 -83.5,12 -83,12 -82.5,12 -82,12 -81.5,12 -81,12 -80.5,12 -80,12 -79.5,12 -79,12 -78.5,12 -78,12 -77.5,12 -77,12 -74.5,12 -74,12 -73.5,12 -73,12 -72.5,12 -72,12 -71.5,12 -71,12 -70.5,12 -70,12 -69.5,12 -69,12 -68.5,12 -68,12 -67.5,12 -64,12 -59,12 -58.5,12 -58,12 -57.5,12 -57,12 -56.5,12 -56,12 -97.75,12.5 -97.25,12.5 -96.75,12.5 -96.25,12.5 -95.75,12.5 -95.25,12.5 -94.75,12.5 -94.25,12.5 -93.75,12.5 -93.25,12.5 -92.75,12.5 -92.25,12.5 -91.75,12.5 -91.25,12.5 -90.75,12.5 -90.25,12.5 -89.75,12.5 -88.25,12.5 -87.75,12.5 -87.25,12.5 -86.75,12.5 -86.25,12.5 -85.75,12.5 -85.25,12.5 -84.75,12.5 -84.25,12.5 -83.75,12.5 -83.25,12.5 -82.75,12.5 -82.25,12.5 -81.75,12.5 -81.25,12.5 -80.75,12.5 -80.25,12.5 -79.75,12.5 -79.25,12.5 -78.75,12.5 -78.25,12.5 -77.75,12.5 -77.25,12.5 -76.75,12.5 -73.75,12.5 -73.25,12.5 -72.75,12.5 -72.25,12.5 -71.75,12.5 -71.25,12.5 -70.75,12.5 -70.25,12.5 -69.75,12.5 -69.25,12.5 -68.75,12.5 -68.25,12.5 -67.75,12.5 -67.25,12.5 -64.25,12.5 -63.75,12.5 -59.75,12.5 -59.25,12.5 -58.75,12.5 -58.25,12.5 -57.75,12.5 -57.25,12.5 -56.75,12.5 -56.25,12.5 -55.75,12.5 -98,13 -97.5,13 -97,13 -96.5,13 -96,13 -95.5,13 -95,13 -94.5,13 -94,13 -93.5,13 -93,13 -92.5,13 -92,13 -91.5,13 -91,13 -90.5,13 -90,13 -89.5,13 -88.5,13 -88,13 -87.5,13 -87,13 -86.5,13 -86,13 -85.5,13 -85,13 -84.5,13 -84,13 -83.5,13 -83,13 -82.5,13 -82,13 -81.5,13 -81,13 -80.5,13 -80,13 -79.5,13 -79,13 -78.5,13 -78,13 -77.5,13 -77,13 -76.5,13 -76,13 -73.5,13 -73,13 -72.5,13 -72,13 -71.5,13 -71,13 -70.5,13 -70,13 -69.5,13 -69,13 -68.5,13 -68,13 -67.5,13 -64,13 -63.5,13 -63,13 -62.5,13 -62,13 -61.5,13 -61,13 -60.5,13 -60,13 -59.5,13 -59,13 -58.5,13 -58,13 -57.5,13 -57,13 -56.5,13 -56,13 -97.75,13.5 -97.25,13.5 -96.75,13.5 -96.25,13.5 -95.75,13.5 -95.25,13.5 -94.75,13.5 -94.25,13.5 -93.75,13.5 -93.25,13.5 -92.75,13.5 -92.25,13.5 -91.75,13.5 -91.25,13.5 -90.75,13.5 -90.25,13.5 -89.75,13.5 -88.25,13.5 -87.75,13.5 -87.25,13.5 -86.75,13.5 -86.25,13.5 -85.75,13.5 -85.25,13.5 -84.75,13.5 -84.25,13.5 -83.75,13.5 -83.25,13.5 -82.75,13.5 -82.25,13.5 -81.75,13.5 -81.25,13.5 -80.75,13.5 -80.25,13.5 -79.75,13.5 -79.25,13.5 -78.75,13.5 -78.25,13.5 -77.75,13.5 -77.25,13.5 -76.75,13.5 -76.25,13.5 -75.75,13.5 -72.75,13.5 -72.25,13.5 -71.75,13.5 -71.25,13.5 -70.75,13.5 -70.25,13.5 -69.75,13.5 -69.25,13.5 -68.75,13.5 -68.25,13.5 -67.75,13.5 -67.25,13.5 -64.25,13.5 -63.75,13.5 -63.25,13.5 -62.75,13.5 -62.25,13.5 -61.75,13.5 -61.25,13.5 -60.75,13.5 -60.25,13.5 -59.75,13.5 -59.25,13.5 -58.75,13.5 -58.25,13.5 -57.75,13.5 -57.25,13.5 -56.75,13.5 -56.25,13.5 -55.75,13.5 -98,14 -97.5,14 -97,14 -96.5,14 -96,14 -95.5,14 -95,14 -94.5,14 -94,14 -93.5,14 -93,14 -92.5,14 -92,14 -91.5,14 -91,14 -90.5,14 -90,14 -89.5,14 -88.5,14 -88,14 -87.5,14 -87,14 -86.5,14 -86,14 -85.5,14 -85,14 -84.5,14 -84,14 -83.5,14 -83,14 -82.5,14 -82,14 -81.5,14 -81,14 -80.5,14 -80,14 -79.5,14 -79,14 -78.5,14 -78,14 -77.5,14 -77,14 -76.5,14 -76,14 -75.5,14 -75,14 -72.5,14 -72,14 -71.5,14 -71,14 -70.5,14 -70,14 -69.5,14 -69,14 -68.5,14 -68,14 -67.5,14 -67,14 -66.5,14 -65,14 -64.5,14 -64,14 -63.5,14 -63,14 -62.5,14 -62,14 -61.5,14 -61,14 -60.5,14 -60,14 -59.5,14 -59,14 -58.5,14 -58,14 -57.5,14 -57,14 -56.5,14 -56,14 -97.75,14.5 -97.25,14.5 -96.75,14.5 -96.25,14.5 -95.75,14.5 -95.25,14.5 -94.75,14.5 -94.25,14.5 -93.75,14.5 -93.25,14.5 -92.75,14.5 -92.25,14.5 -91.75,14.5 -91.25,14.5 -90.75,14.5 -90.25,14.5 -89.75,14.5 -88.25,14.5 -87.75,14.5 -87.25,14.5 -86.75,14.5 -86.25,14.5 -85.75,14.5 -85.25,14.5 -84.75,14.5 -84.25,14.5 -83.75,14.5 -83.25,14.5 -82.75,14.5 -82.25,14.5 -81.75,14.5 -81.25,14.5 -80.75,14.5 -80.25,14.5 -79.75,14.5 -79.25,14.5 -78.75,14.5 -78.25,14.5 -77.75,14.5 -77.25,14.5 -76.75,14.5 -76.25,14.5 -75.75,14.5 -75.25,14.5 -74.75,14.5 -71.75,14.5 -71.25,14.5 -70.75,14.5 -70.25,14.5 -69.75,14.5 -69.25,14.5 -68.75,14.5 -68.25,14.5 -67.75,14.5 -67.25,14.5 -66.75,14.5 -66.25,14.5 -64.75,14.5 -64.25,14.5 -63.75,14.5 -63.25,14.5 -62.75,14.5 -62.25,14.5 -61.75,14.5 -61.25,14.5 -60.75,14.5 -60.25,14.5 -59.75,14.5 -59.25,14.5 -58.75,14.5 -58.25,14.5 -57.75,14.5 -57.25,14.5 -56.75,14.5 -56.25,14.5 -55.75,14.5